# Altium PCB SDC.PcbDoc (part 1 of 3) (continued)
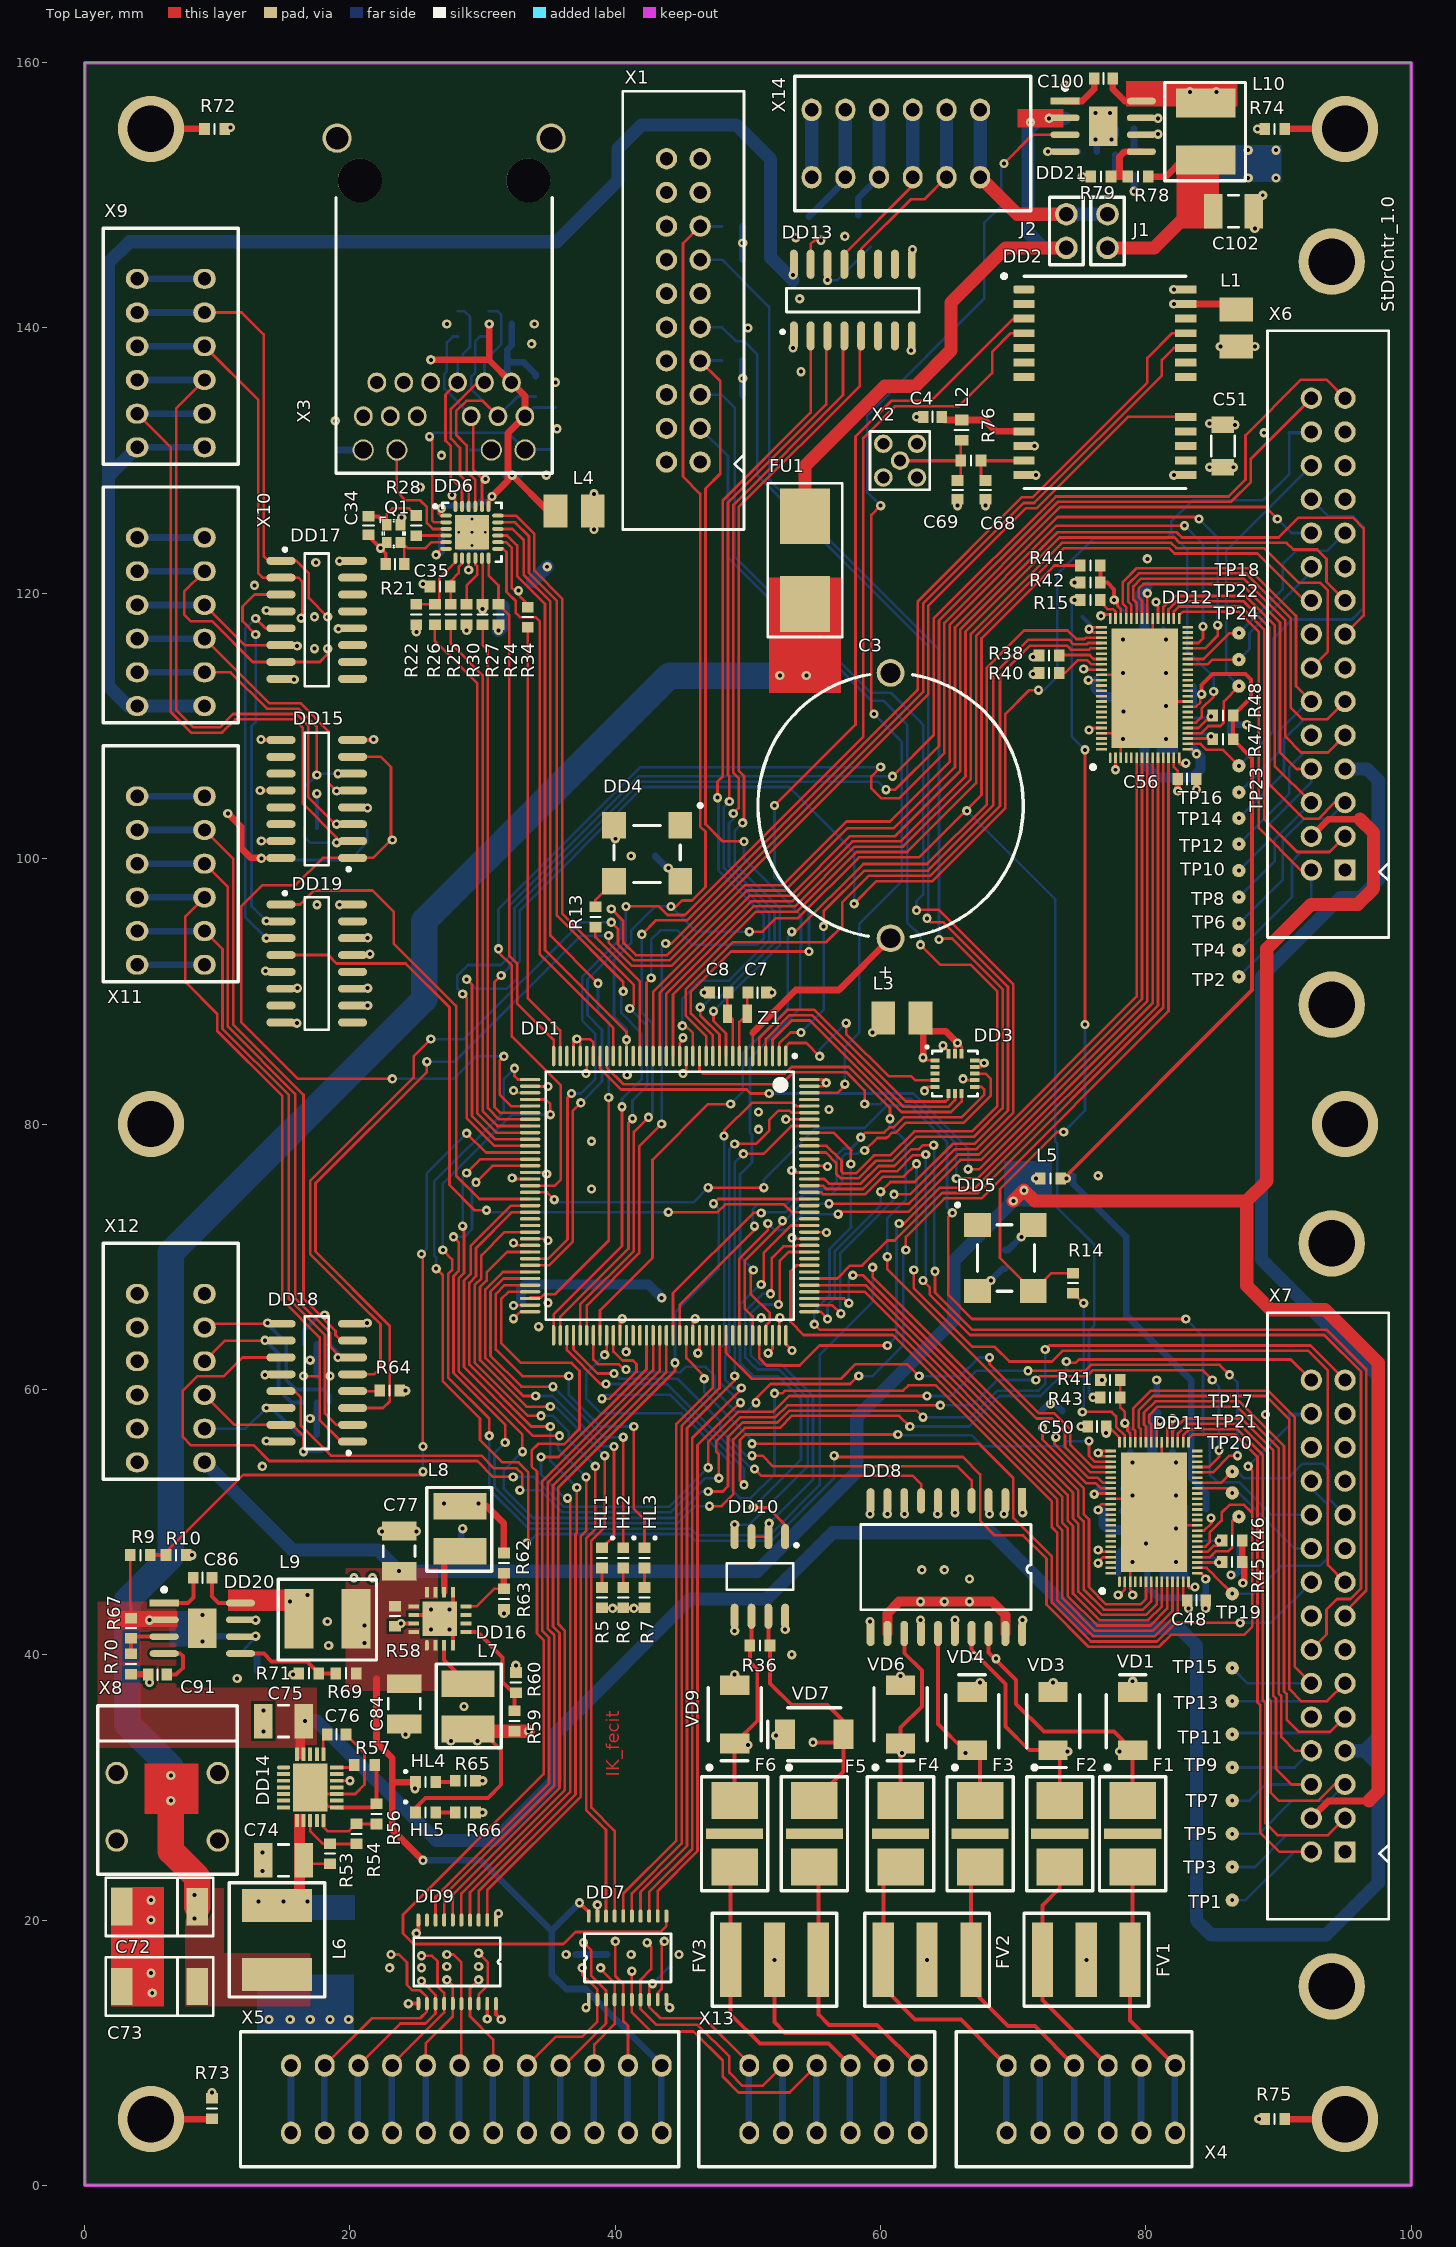
[diagram p0: Top Layer view]
## Footprints (in the part's own frame and the unit in brackets; to place one, negate y for a bottom-side part, rotate by r counter-clockwise, add the part's x,y. Pads: shape width x height; smd on the part's side, far side on the other; paste and mask are expansions set on the pad) (continued)
MMCX [mm]
  round 1.4 hole 0.9: 1(0,1.27) 2(2.54,1.27) 3(2.54,-1.27) 4(0,-1.27) 5(1.27,0)
  silkscreen extent -1,-2.2 3.5,2.2, body extent -0.5,-1.75 3,1.75, height 4.46
omni_block_154 [mm]
  rect 4.2x3.8 smd: 1(-3.3,0) 2(3.3,0)
  silkscreen extent -5.8,-2.8 5.8,2.8, body extent -4.92,-2.5 4.92,2.53, height 3.81
QFN76 [mm]
  oval 0.8x0.2 smd: 1(0,0)
  rect 0.8x0.2 smd: 2(0,-0.4) 3(0,-0.8) 4(0,-1.2) 5(0,-1.6) 6(0,-2) 7(0,-2.4) 8(0,-2.8) 9(0,-3.2) 10(0,-3.6) 11(0,-4) 12(0,-4.4) 13(0,-4.8) 14(0,-5.2) 39(10.5,-5.2) 40(10.5,-4.8) 41(10.5,-4.4) 42(10.5,-4) 43(10.5,-3.6) 44(10.5,-3.2) 45(10.5,-2.8) 46(10.5,-2.4) 47(10.5,-2) 48(10.5,-1.6) 49(10.5,-1.2) 50(10.5,-0.8) 51(10.5,-0.4) 52(10.5,0)
  rect 0.2x0.8 smd: 15(0.65,-5.85) 16(1.05,-5.85) 17(1.45,-5.85) 18(1.85,-5.85) 19(2.25,-5.85) 20(2.65,-5.85) 21(3.05,-5.85) 22(3.45,-5.85) 23(3.85,-5.85) 24(4.25,-5.85) 25(4.65,-5.85) 26(5.05,-5.85) 27(5.45,-5.85) 28(5.85,-5.85) 29(6.25,-5.85) 30(6.65,-5.85) 31(7.05,-5.85) 32(7.45,-5.85) 33(7.85,-5.85) 34(8.25,-5.85) 35(8.65,-5.85) 36(9.05,-5.85) 37(9.45,-5.85) 38(9.85,-5.85) 53(9.85,0.65) 54(9.45,0.65) 55(9.05,0.65) 56(8.65,0.65) 57(8.25,0.65) 58(7.85,0.65) 59(7.45,0.65) 60(7.05,0.65) 61(6.65,0.65) 62(6.25,0.65) 63(5.85,0.65) 64(5.45,0.65) 65(5.05,0.65) 66(4.65,0.65) 67(4.25,0.65) 68(3.85,0.65) 69(3.45,0.65) 70(3.05,0.65) 71(2.65,0.65) 72(2.25,0.65) 73(1.85,0.65) 74(1.45,0.65) 75(1.05,0.65) 76(0.65,0.65)
  rect 9x5 smd: 77(5.25,-2.6)
  silkscreen extent -0.85,1.15 -0.55,1.45
QFN-MJ24 [mm] "QFN, 24-Leads, Body 4x4mm, Pitch 0.5mm, Thermal Pad 2.6x2.6mm, Microchip Recommended"
  oval 0.85x0.3 smd: 1(-1.95,1.25) 2(-1.95,0.75) 3(-1.95,0.25) 4(-1.95,-0.25) 5(-1.95,-0.75) 6(-1.95,-1.25) 13(1.95,-1.25) 14(1.95,-0.75) 15(1.95,-0.25) 16(1.95,0.25) 17(1.95,0.75) 18(1.95,1.25)
  oval 0.3x0.85 smd: 7(-1.25,-1.95) 8(-0.75,-1.95) 9(-0.25,-1.95) 10(0.25,-1.95) 11(0.75,-1.95) 12(1.25,-1.95) 19(1.25,1.95) 20(0.75,1.95) 21(0.25,1.95) 22(-0.25,1.95) 23(-0.75,1.95) 24(-1.25,1.95)
  rect 2.6x2.6 smd paste-1.3: 25(0,0)
  silkscreen extent -2.9,-2.22 2.22,2.22, body extent -2.07,-2.07 2.07,2.07, height 0.9
R0603 [mm]
  rect 0.8x0.9 smd: 1(-0.762,0) 2(0.762,0)
  silkscreen extent 0,-0.38 0,0.38, body extent -0.85,-0.4 0.85,0.4, height 0.56
SIM68M [mm]
  rrect50% 1.6x0.6 smd: 1(0,0)
  rect 1.6x0.6 smd: 2(0,-1.1) 3(0,-2.2) 4(0,-3.3) 5(0,-4.4) 6(0,-5.5) 7(0,-6.6) 8(0,-9.6) 9(0,-10.7) 10(0,-11.8) 11(0,-12.9) 12(0,-14) 13(12.2,-14) 14(12.2,-12.9) 15(12.2,-11.8) 16(12.2,-10.7) 17(12.2,-9.6) 18(12.2,-6.6) 19(12.2,-5.5) 20(12.2,-4.4) 21(12.2,-3.3) 22(12.2,-2.2) 23(12.2,-1.1) 24(12.2,0)
  silkscreen extent -1.65,-15 12.2,1.15
SMA-DO214 [mm]
  rect 2.5x1.7 smd: 1(-2.5,0) 2(2.5,0)
  silkscreen extent -3,-1.5 3,1.5, body extent -2.74,-1.4 2.74,1.4, height 2.3
SMB-DO214 [mm]
  rect 1.5x2.2 smd: 1(-2.2,0) 2(2.2,0)
  silkscreen extent -3.5,-2 2,2, body extent -2.7,-1.8 2.7,1.8, height 2.32
SMC-DO214 [mm]
  rect 2.5x3.3 smd: 1(-3.45,0) 2(3.45,0)
  silkscreen extent -5.1,-3.2 5.1,3.2, body extent -3.98,-2.95 3.97,2.95, height 2.32
SO4-GEN [mm]
  rect 2x1.8 smd: 1(0,0) 2(0,-5) 3(4.2,-5) 4(4.2,0)
  silkscreen extent -1.64,-5 4.3,1.64
SO8_L [mm] "SOIC, 8-Leads, Body 4.9x3.9mm, Pitch 1.27mm, IPC High Density"
  oval 1.9x0.6 smd: 1(-3,1.905) 2(-3,0.635) 3(-3,-0.635) 4(-3,-1.905) 5(3,-1.905) 6(3,-0.635) 7(3,0.635) 8(3,1.905)
  silkscreen extent -2.47,-2.5 1,2.88, body extent -2,-2.5 2,2.5, height 1.75
SO-16_N [mm] "SOIC, 16-Leads, Body 9.9x3.9mm, Pitch 1.27mm, IPC Medium Density"
  oval 2.2x0.6 smd: 1(-2.7,4.445) 2(-2.7,3.175) 3(-2.7,1.905) 4(-2.7,0.635) 5(-2.7,-0.635) 6(-2.7,-1.905) 7(-2.7,-3.175) 8(-2.7,-4.445) 9(2.7,-4.445) 10(2.7,-3.175) 11(2.7,-1.905) 12(2.7,-0.635) 13(2.7,0.635) 14(2.7,1.905) 15(2.7,3.175) 16(2.7,4.445)
  silkscreen extent -2.52,-5 0.9,5.42, body extent -3,-4.9 3,5, height 1.26
SOIC_20W [mm]
  rect 1.9x0.6 smd: 1(0,1.27)
  oval 1.9x0.6 smd: 2(0,0) 3(0,-1.27) 4(0,-2.54) 5(0,-3.81) 6(0,-5.08) 7(0,-6.35) 8(0,-7.62) 9(0,-8.89) 10(0,-10.16) 11(10,-10.16) 12(10,-8.89) 13(10,-7.62) 14(10,-6.35) 15(10,-5.08) 16(10,-3.81) 17(10,-2.54) 18(10,-1.27) 19(10,0) 20(10,1.27)
  silkscreen extent 1.78,-10.9 8.2,1.93, body extent -0.07,-10.8 10.07,1.8, height 2.25
SOT23 [mm] "SOT23, 6-Leads, Body 2.9x1.6mm, Pitch 0.95mm, Lead Span 2.7mm, IPC Medium Density"
  rect 1.1x0.65 smd: 1(-1.2,0.95) 2(-1.2,-0.95) 3(1.2,0)
  silkscreen extent -1.32,-1.55 0.25,1.95
SOT23-6 [mm] "SOT23, 6-Leads, Body 2.9x1.6mm, Pitch 0.95mm, Lead Span 2.7mm, IPC Medium Density"
  rect 1.1x0.65 smd: 1(-1.2,0.95) 2(-1.2,0) 3(-1.2,-0.95) 4(1.2,-0.95) 5(1.2,0) 6(1.2,0.95)
  silkscreen extent -1.32,1.7 -1.08,1.95, body extent -1.23,-1.4 1.2,1.4, height 1.1
STM-LQFP144_L [mm] "Thin QFP, 144-Leads, Body 20x20mm, Pitch 0.5mm, IPC High Density"
  oval 1.55x0.25 smd: 1(-10.525,8.75) 2(-10.525,8.25) 3(-10.525,7.75) 4(-10.525,7.25) 5(-10.525,6.75) 6(-10.525,6.25) 7(-10.525,5.75) 8(-10.525,5.25) 9(-10.525,4.75) 10(-10.525,4.25) 11(-10.525,3.75) 12(-10.525,3.25) 13(-10.525,2.75) 14(-10.525,2.25) 15(-10.525,1.75) 16(-10.525,1.25) 17(-10.525,0.75) 18(-10.525,0.25) 19(-10.525,-0.25) 20(-10.525,-0.75) 21(-10.525,-1.25) 22(-10.525,-1.75) 23(-10.525,-2.25) 24(-10.525,-2.75) 25(-10.525,-3.25) 26(-10.525,-3.75) 27(-10.525,-4.25) 28(-10.525,-4.75) 29(-10.525,-5.25) 30(-10.525,-5.75) 31(-10.525,-6.25) 32(-10.525,-6.75) 33(-10.525,-7.25) 34(-10.525,-7.75) 35(-10.525,-8.25) 36(-10.525,-8.75) 73(10.525,-8.75) 74(10.525,-8.25) 75(10.525,-7.75) 76(10.525,-7.25) 77(10.525,-6.75) 78(10.525,-6.25) 79(10.525,-5.75) 80(10.525,-5.25) 81(10.525,-4.75) 82(10.525,-4.25) 83(10.525,-3.75) 84(10.525,-3.25) 85(10.525,-2.75) 86(10.525,-2.25) 87(10.525,-1.75) 88(10.525,-1.25) 89(10.525,-0.75) 90(10.525,-0.25) 91(10.525,0.25) 92(10.525,0.75) 93(10.525,1.25) 94(10.525,1.75) 95(10.525,2.25) 96(10.525,2.75) 97(10.525,3.25) 98(10.525,3.75) 99(10.525,4.25) 100(10.525,4.75) 101(10.525,5.25) 102(10.525,5.75) 103(10.525,6.25) 104(10.525,6.75) 105(10.525,7.25) 106(10.525,7.75) 107(10.525,8.25) 108(10.525,8.75)
  oval 0.25x1.55 smd: 37(-8.75,-10.525) 38(-8.25,-10.525) 39(-7.75,-10.525) 40(-7.25,-10.525) 41(-6.75,-10.525) 42(-6.25,-10.525) 43(-5.75,-10.525) 44(-5.25,-10.525) 45(-4.75,-10.525) 46(-4.25,-10.525) 47(-3.75,-10.525) 48(-3.25,-10.525) 49(-2.75,-10.525) 50(-2.25,-10.525) 51(-1.75,-10.525) 52(-1.25,-10.525) 53(-0.75,-10.525) 54(-0.25,-10.525) 55(0.25,-10.525) 56(0.75,-10.525) 57(1.25,-10.525) 58(1.75,-10.525) 59(2.25,-10.525) 60(2.75,-10.525) 61(3.25,-10.525) 62(3.75,-10.525) 63(4.25,-10.525) 64(4.75,-10.525) 65(5.25,-10.525) 66(5.75,-10.525) 67(6.25,-10.525) 68(6.75,-10.525) 69(7.25,-10.525) 70(7.75,-10.525) 71(8.25,-10.525) 72(8.75,-10.525) 109(8.75,10.525) 110(8.25,10.525) 111(7.75,10.525) 112(7.25,10.525) 113(6.75,10.525) 114(6.25,10.525) 115(5.75,10.525) 116(5.25,10.525) 117(4.75,10.525) 118(4.25,10.525) 119(3.75,10.525) 120(3.25,10.525) 121(2.75,10.525) 122(2.25,10.525) 123(1.75,10.525) 124(1.25,10.525) 125(0.75,10.525) 126(0.25,10.525) 127(-0.25,10.525) 128(-0.75,10.525) 129(-1.25,10.525) 130(-1.75,10.525) 131(-2.25,10.525) 132(-2.75,10.525) 133(-3.25,10.525) 134(-3.75,10.525) 135(-4.25,10.525) 136(-4.75,10.525) 137(-5.25,10.525) 138(-5.75,10.525) 139(-6.25,10.525) 140(-6.75,10.525) 141(-7.25,10.525) 142(-7.75,10.525) 143(-8.25,10.525) 144(-8.75,10.525)
  silkscreen extent -10.65,-9.35 9.35,9.55, body extent -10,-10 10,10, height 1.6
TBU-CA [mm]
  rect 0.8x4.3 smd: 0(0,0)
  rect 2.8x3.5 smd: 1(-2.5,0) 2(2.5,0)
  silkscreen extent -5.15,-2.5 4.3,2.5, body extent -3.25,-2 3.25,2, height 1.06
TP1 [mm]
  round 1 smd: 1(0,0)
TSSOP20 [mm]
  rect 1x0.3 smd: 1(0,0)
  oval 1x0.3 smd: 2(0,-0.65) 3(0,-1.3) 4(0,-1.95) 5(0,-2.6) 6(0,-3.25) 7(0,-3.9) 8(0,-4.55) 9(0,-5.2) 10(0,-5.85) 11(6.3,-5.85) 12(6.3,-5.2) 13(6.3,-4.55) 14(6.3,-3.9) 15(6.3,-3.25) 16(6.3,-2.6) 17(6.3,-1.95) 18(6.3,-1.3) 19(6.3,-0.65) 20(6.3,0)
  silkscreen extent 1.33,-6.2 4.97,0.33, body extent 0,-6.15 6.4,0.35, height 1.06
VQFN24 [mm]
  oval 1x0.3 smd: 1(0,0)
  rect 1x0.3 smd: 2(0,-0.5) 3(0,-1) 4(0,-1.5) 5(0,-2) 6(0,-2.5) 7(0,-3) 13(4,-3) 14(4,-2.5) 15(4,-2) 16(4,-1.5) 17(4,-1) 18(4,-0.5) 19(4,0)
  rect 0.3x1 smd: 8(1,-4) 9(1.5,-4) 10(2,-4) 11(2.5,-4) 12(3,-4) 20(3,1) 21(2.5,1) 22(2,1) 23(1.5,1) 24(1,1)
  rect 2.6x3.6 smd: 25(2,-1.5)
WQFN16 [mm]
  oval 0.8x0.3 smd: 1(0,0)
  rect 0.8x0.3 smd: 2(0,-0.65) 3(0,-1.3) 4(0,-1.95) 9(4,-1.95) 10(4,-1.3) 11(4,-0.65) 12(4,0)
  rect 0.3x0.8 smd: 5(1,-2.95) 6(1.65,-2.95) 7(2.3,-2.95) 8(2.95,-2.95) 13(2.95,1) 14(2.3,1) 15(1.65,1) 16(1,1)
  rect 2.6x2.6 smd: 17(2,-0.975)
XAL4030 [mm]
  rect 2x4 smd: 1(-1.7,0) 2(1.7,0)
  silkscreen extent -3.2,-2.4 3.1,2.5, body extent -2.15,-2.1 2.15,2.2, height 3.11
XAL5050 [mm]
  rect 2.2x4.5 smd: 1(-2.15,0) 2(2.15,0)
  silkscreen extent -3.7,-3.1 3.7,3, body extent -2.74,-2.88 2.74,2.8, height 5.11
XAL6060 [mm]
  rect 2.5x5.3 smd: 1(-2.6,0) 2(2.6,0)
  silkscreen extent -4.3,-3.6 4.3,3.6, body extent -3.28,-3.38 3.28,3.38, height 6.11

## Part data
C1 C2 C4 C5 C6 C7 C8 C9 C10 C11 C12 C13 C14 C15 C16 C17 C18 C19 C20 C21 C22 C23 C24 C25 C26 C27 C28 C29 C30 C31 C32 C33 C34 C35 C36 C37 C38 C39 C40 C41 C42 C43 C44 C45 C46 C47 C48 C49 C50 C51 C52 C53 C54 C55 C56 C57 C58 C59 C60 C61 C62 C63 C64 C65 C66 C67 C68 C69 C70 C71 C74 C75 C76 C77 C78 C79 C80 C81 C82 C83 C84 C85 C86 C87 C88 C89 C90 C91 C94 C95 C96 C97 C98 C99 C100 C101 C102 C103 C104 C105: "SMD Capacitor"
C3: "Ionistor"
C72 C73 C92 C93: library part "Cap Pol_D", "Polarized Capacitor (Surface Mount)"
DA1: library part USBLC6-4SC6, "ESD protection Very low capacitance"
DD1: "ARM Cortex-M7, 480MHz, 32-bit MCU+FPU, 144-pin LQFP"
DD2: "GPS module"
DD3: "Accelerometer"
DD4 DD5: "KXO generator"
DD6: "RMII 10/100 Ethernet PHY"
DD8: "RS485 isolator"
DD10: library part ST3485EB, "RS485_tranciever"
DD11 DD12: "Motion_controller"
DD13: "digital isolator"
DD14: "Industrial eFuse"
DD15: "RS-422 transmitter"
DD17 DD18: "RS-422 receiver"
DD19: "MUX"
F1 F2 F3 F4 F5 F6: "TBU fuse"
FU1: "omni fuse block"
FV1 FV2 FV3: "Charger"
L1 L3 L4 L6 L7 L8 L9 L10: "chip inductor"
L2: "SMD Chip ferrite bead 0603"
Q1: "Crystal oscillator 25MHz"
R1 R2 R3 R4 R5 R6 R7 R8 R9 R10 R11 R12 R13 R14 R15 R16 R17 R18 R19 R20 R21 R22 R23 R24 R25 R26 R27 R28 R29 R30 R31 R32 R33 R34 R35 R36 R37 R38 R39 R40 R41 R42 R43 R44 R45 R46 R47 R48 R49 R50 R51 R52 R53 R54 R55 R56 R57 R58 R59 R60 R61 R62 R63 R64 R65 R66 R67 R68 R69 R70 R71 R72 R73 R74 R75 R76 R77 R78 R79: "SMD Resistor"
TP1 TP2 TP3 TP4 TP5 TP6 TP7 TP8 TP9 TP10 TP11 TP12 TP13 TP14 TP15 TP16 TP17 TP18 TP19 TP20 TP21 TP22 TP23 TP24: library part TP
VD1 VD3 VD4 VD6 VD7 VD9: library part SMBJ5CA, "TVS diode"
VD2 VD5 VD8: library part SMBJ12CA, "TVSdiode"
VD10: "DIODE, SCHOTTKY, 5A, 50V, SMC"
VD11 VD12 VD13 VD14 VD16 VD17 VD18 VD19: "4-line ESD protection"
VD15 VD20: "Shottky diode"
VT1 VT2: "n-channel fet"
X1: library part IDC10x2_GOST
X2: "Coaxial"
X3: "1Gb connector"
X4 X5 X9 X10 X11 X12 X13 X14: "wire connector"
X6 X7: library part IDC15x2_GOST
Z1: "Crystal_32_768"

## Free pads (board coordinates)
  round 5 hole 3.5: 0(5,5) 0(5,80) 0(5,155) 0(94,15) 0(94,71) 0(94,89) 0(94,145) 0(95,5) 0(95,80) 0(95,155)

## Via types
v1: diameter 0.7, hole 0.3, Top Layer to Bottom Layer, tented both sides, 607 vias
v2: diameter 0.5, hole 0.2, Top Layer to Bottom Layer, 5 vias

## Nets (pads, with @x,y where several pads share a name; then routed paths per layer and width w, separated by ;. In a path a pad name is that pad's centre, name@x,y a point inside that pad or via, vN(x,y) a via of type N, cw(c..) or ccw(c..) an arc to the next point about the centre after c; other vN are vias at no path point)
1: pad.0@5,155 R72.1 | length 4
  Top Layer w0.5: pad.0@5,155 R72.1@9.038,155
2: pad.0@5,5 R73.1 | length 4.6
  Top Layer w0.5: pad.0@5,5 R73.1@9.562,5
3: pad.0@95,155 R74.1 | length 4.5
  Top Layer w0.5: R74.1@90.462,155 pad.0@95,155
4: pad.0@95,5 R75.1 | length 4.5
  Top Layer w0.5: R75.1@90.462,5 pad.0@95,5
12V_EN: DD1.142 DD21.3 | length 85.5
  Top Layer w0.2: DD1.142@54.625,82.35 56.75,82.35 v1@57.3,82.9 ; v1(59.5,110.9) 59.3,111.1 59.3,125.9 v1(60,126.6) ; v1(69.3,152.4) 71.46,154.56 DD21.3@73.9,154.56
  Bottom Layer w0.2: v1(57.3,83) 57.3,85.8 58.4,86.9 58.4,95.1 61.6,98.3 61.6,108.8 v1(59.5,110.9) ; v1(60,126.6) 59,127.6 59,133.4 67.8,142.2 67.8,147.9 69.1,149.2 69.1,152.2 v1(69.3,152.4)
25MHZ_MC: DD1.23 R13.1 | length 11.1
  Top Layer w0.2: R13.1@38.5,94.838 38.5,94.1 41.85,90.75 DD1.23@41.85,85.125
25MHZ_TMC_A: DD12.51 R15.1 | length 2.1
  Top Layer w0.2: R15.1@76.562,119.5 76.562,119.338 77.1,118.8 77.524,118.8 77.7,118.624 DD12.51@77.7,118.1
25MHZ_TMC_B: DD11.51 R14.1 | length 14.3
  Top Layer w0.2: R14.1@74.5,67.238 75.238,66.5 v1(75.3,66.5) ; v1(75.2,58.3) 77.4,58.3 77.75,57.95 77.75,57.174 78.4,56.524 DD11.51@78.4,56
  Bottom Layer w0.2: v1(75.2,58.3) 75.1,58.4 75.3,58.6 v1(75.3,66.5)
422_A: F1.2 FV1.3 X4.1 | length 21.2
  Top Layer w0.3: FV1.3@78.8,17 78.8,12.44 X4.1@82.2,9.04 ; FV1.3@79,17.2 F1.2@79,24
  Bottom Layer w0.5: X4.1@82.16,3.98 X4.1@82.16,9.06
422_B: F2.2 FV1.1 X4.3 | length 22.6
  Top Layer w0.3: F2.2@73.5,24 73.5,22.4 72.2,21.1 FV1.1@72.2,17 72.2,13.96 X4.3@77.12,9.04
  Bottom Layer w0.5: X4.3@77.08,3.98 X4.3@77.08,9.06
422_RX: DD1.76 DD8.4 | length 37.1
  Top Layer w0.2: DD1.76@36.85,64.075 36.85,63.016 38.666,61.2 v1(39.9,61.2) ; v1(50.3,55) 51.1,55 51.9,54.2 65.8,54.2 66.86,53.14 DD8.4@66.86,51.6
  Bottom Layer w0.2: v1(39.9,61.2) 40.3,60.8 44.7,60.8 47.9,57.6 47.9,56.966 49.866,55 v1(50.3,55)
422_TX: DD1.75 DD8.7 | length 33.3
  Top Layer w0.2: DD1.75@36.35,64.075 36.35,62.95 38.9,60.4 v1(39.3,60.4) ; v1(50.5,54) 51,53.5 62.4,53.5 63.05,52.85 DD8.7@63.05,51.6
  Bottom Layer w0.2: v1(39.3,60.4) 43.9,60.4 50.3,54 v1(50.5,54)
422_Y: F4.2 FV2.1 X4.6 | length 26.4
  Top Layer w0.3: F4.2@61.5,24 60.2,22.7 FV2.1@60.2,17 60.2,14.9 62.6,12.5 66.04,12.5 X4.6@69.5,9.04
  Bottom Layer w0.5: X4.6@69.46,3.98 X4.6@69.46,9.06
422_Z: F3.2 FV2.3 X4.4 | length 23.7
  Top Layer w0.3: F3.2@66.8,23.3 FV2.3@66.8,17 66.8,14.8 69.6,12 71.62,12 X4.4@74.58,9.04
  Bottom Layer w0.5: X4.4@74.58,3.96 X4.4@74.58,9.04
485_A: F6.2 FV3.1 X13.3 | length 26.5
  Top Layer w0.3: F6.2@48.7,23.7 FV3.1@48.7,17 48.7,12.9 50.9,10.7 56.06,10.7 X13.3@57.72,9.04
  Bottom Layer w0.5: X13.3@57.68,3.98 X13.3@57.68,9.06
485_B: F5.2 FV3.3 X13.1 | length 25
  Top Layer w0.3: F5.2@55.3,23.7 FV3.3@55.3,17 55.3,12.9 56.1,12.1 59.74,12.1 X13.1@62.8,9.04
  Bottom Layer w0.5: X13.1@62.76,3.98 X13.1@62.76,9.06
485_RX: DD1.122 DD10.1 | length 32.9
  Top Layer w0.2: v1(50.4,51.1) 51.5,51.1 52.805,49.795 DD10.1@52.805,48.9 ; v1(51,67.9) 51.2,68.1 51.2,70.3 53.25,72.35 DD1.122@54.625,72.35
  Bottom Layer w0.2: v1(50.4,51.1) v1@50.5,51.2 ; v1@50.5,50.9 v1@50.5,51.2 ; v1(51,67.9) 50.9,67.9 49.4,66.4 49.4,62 50.4,61 52.269,61 54,59.269 54,54.7 v1@50.5,51.2
485_TE: DD1.118 DD10.2 DD10.3 | length 29.6
  Top Layer w0.2: DD10.3@50.265,48.9 DD10.2@51.535,48.9 ; v1@52.1,66.4 52.4,66.7 52.4,69.7 53.05,70.35 DD1.118@54.625,70.35
  Bottom Layer w0.2: v1(51.6,49.9) 54.9,53.2 54.9,59.5 52.5,61.9 50.9,61.9 50.2,62.6 50.2,65.7 50.9,66.4 v1(52.3,66.4)
485_TX: DD1.119 DD10.4 | length 30.5
  Top Layer w0.2: v1@51.7,67.1 v1(51.7,67.2) 51.8,67.2 51.8,69.9 52.675,70.775 53.594,70.775 53.669,70.85 DD1.119@54.625,70.85
  Bottom Layer w0.2: v1(49,49.8) 50.1,49.8 54.5,54.2 54.5,59.334 52.334,61.5 50.734,61.5 50.534,61.7 50.5,61.7 49.8,62.4 49.8,65.9 51.1,67.2 v1(51.7,67.2)
+1V8: C85.2 L8.2 R62.2 | length 5.8
  Top Layer w0.5: L8.2@28.536,51.2 30.3,51.2 31.6,49.9 R62.2@31.6,47.662
  other v1: 27.1,51.4 29.7,51.4
+3V3_MC: C11.2 C12.2 C13.2 C14.2 C15.2 C16.2 C17.2 C18.2 C19.2 C20.2 C21.2 C22.2 C23.2 C24.2 C28.2 C36.2 C37.2 C38.2 C45.2 C46.2 C47.2 C48.2 C49.2 C50.2 C51.2 C52.2 C53.2 C54.2 C55.2 C56.2 C78.2 C79.2 C80.2 C81.2 C96.2 C97.2 C98.2 DD1.17 DD1.30 DD1.32 DD1.33 DD1.39 DD1.52 DD1.62 DD1.72 DD1.84 DD1.95 DD1.108 DD1.121 DD1.131 DD1.143 DD1.144 DD4.4 DD5.4 DD6.9 DD8.2 DD8.6 DD8.8 DD9.20 DD10.8 DD11.2 DD11.13 DD11.43 DD11.52 DD11.61 DD11.72 DD12.2 DD12.13 DD12.43 DD12.52 DD12.61 DD12.72 DD13.1 DD17.16 DD18.16 DD19.16 HL5.1 L1.2 L3.2 L4.1 L7.2 R1.1 R2.1 R3.1 R4.1 R5.1 R6.1 R7.1 R12.1 R16.1 R21.1 R22.1 R23.1 R24.1 R41.2 R42.2 R59.2 R61.2 R64.2 X1.1 X1.2 | length 73.3
  Top Layer w0.2: v1(28.95,121.75) DD6.9@28.95,122.65 ; v1@32.3,75.85 DD1.52@33.575,75.85 ; v1(32.325,65.325) 32.85,65.85 DD1.72@33.575,65.85 ; v1@32.5,70.85 DD1.62@33.575,70.85 ; v1@32.5,82.35 DD1.39@33.575,82.35 ; DD1.33@36.85,85.125 36.85,86.15 v1(37.1,86.4) ; DD1.32@37.35,85.125 37.35,86.15 v1(37.1,86.4) ; DD1.30@38.35,85.125 38.35,86.15 38.1,86.4 v1(37.1,86.4) ; v1@40.7,62.9 40.85,63.05 DD1.84@40.85,64.075 ; DD1.17@44.85,85.125 44.85,86.05 v1@45.1,86.3 ; v1@46.35,62.85 DD1.95@46.35,64.075 ; DD1.108@52.85,64.075 52.85,63.4 v1(53.325,62.925) ; DD1.121@54.625,71.85 55.65,71.85 v1@55.8,71.7 ; DD1.131@54.625,76.85 55.65,76.85 v1@55.8,76.7 ; DD1.143@54.625,82.85 55.65,82.85 v1(55.9,83.1) 55.65,83.35 DD1.144@54.625,83.35 ; v1@75.45,114.25 DD12.61@76.65,114.25 ; v1@75.8,109.7 75.95,109.85 DD12.72@76.65,109.85 ; v1@76.1,52.3 76.25,52.15 DD11.61@77.35,52.15 ; v1(76.4,47.9) 76.55,47.75 DD11.72@77.35,47.75 ; v1@76.5,118.4 76.6,118.5 76.834,118.5 76.934,118.4 77.3,118.4 DD12.52@77.3,118.1 ; C50.2@77,57.2 77.159,57.2 78,56.359 DD11.52@78,56 ; v1@77.7,106.9 DD12.2@77.7,107.6 ; v1@78.1,44.6 78.4,44.9 DD11.2@78.4,45.5 ; v1@80.8,119.1 80.9,119 DD12.43@80.9,118.1 ; DD11.43@81.6,56 81.6,57.021 82,57.421 v1(82,57.8) ; DD12.13@82.1,107.6 82.1,106.9 82.4,106.6 C56.2@82.4,106.2 ; C48.2@82.8,44.5 DD11.13@82.8,45.5
  Top Layer w0.3: HL5.1@24.938,28.1 24.938,28.438 25.7,29.2 30.4,29.2 31.4,30.2 31.4,32.8 L7.2@29.962,34.238 ; L7.2@28.9,34.4 29.8,34.4 L7.2@29.962,34.238 ; L7.2@29.062,34.238 L7.2@29.962,34.238 ; DD9.20@31,13.7 31,12.9 v1(31.4,12.5) ; R5.1@39,43.538 R6.1@40.6,43.538 R7.1@42.2,43.538
  Top Layer w0.5: v1(82.4,105.1) C56.2@82.4,106.2
  Top Layer w1: L7.2@29.962,34.238 R59.2@32.4,34.238 v1(33.462,34.238)
  Bottom Layer w0.2: v1(75.3,114.3) C53.2@75.9,114.3
  Bottom Layer w0.3: C49.2@82,56.7 v1(82,57.8)
  Bottom Layer w0.5: C11.2@43,100.2 v1@43.9,99.3 ; R1.1@49.562,134.95 R2.1@49.562,137.55 ; R3.1@49.562,145.15 R4.1@49.562,147.65 ; C12.2@69.4,70.5 69.6,70.5 v1(70.6,71.5) ; v1(76.1,52.1) 76.5,52.5 C96.2@76.9,52.5
  Bottom Layer w1: v1(31.2,117.2) 31.562,117.562 R23.1@31.562,119 ; R16.1@33.762,120.9 v1(34.862,122)
  other v1: 27.6,33.5 29.6,33.5 52.8,41.9 39.8,43.5 41.4,43.5 83.2,43.5 77.9,44.5 61.8,50.6 64.3,50.6 69.3,50.6 13.7,56.1 77,56.7 24.2,59.9 76.7,60.7 46.225,62.725 40.825,62.825 32.325,71.025 55.925,71.825 38.2,75.1 32.225,75.925 56,76.8 50.8,80.9 32.325,82.525 45.1,86.5 59.4,86.9 19.225,96.525 44,99.3 77.7,106.7 75.7,109.7 25,117.1 76.6,118.3 80.75,119.35 12.8,120.6 25.5,120.7 74.6,120.8 19.225,122.425 38.4,124.8 38.4,127.5 84.8,129.5 86.6,129.5 49.6,136.2 53.4,138.5 85.6,138.6 88.2,138.6 49.6,146.4
+5_REF: C41.2 C42.2 C43.2 C44.2 C65.2 DD11.23 DD12.23 L5.2 R45.2 R46.2 R47.2 R48.2 | length 92.9
  Top Layer w0.2: DD12.23@83.15,111.45 83.784,111.45 84.1,111.766 v1@84.1,112.4 ; DD11.23@83.85,49.35 84.384,49.35 84.934,49.9 84.934,50.266 v1(84.9,50.3)
  Top Layer w0.3: v1(74,75.9) 74,76.1 88,90.1 88,107.562 R47.2@86.562,109 R48.2@86.562,110.8 87.9,112.138 87.9,113.5 87.5,113.9 85,113.9 84.2,113.1 v1(84.2,112.4)
  Top Layer w0.5: R46.2@87.262,48.6 R45.2@87.262,47 87.4,46.862 v1@87.4,45.4
  Signal Layer 2 w0.5: v1(84.9,50.3) 85.5,50.3 87.3,48.5 v1(87.3,45.4)
  Bottom Layer w0.5: C65.2@74.5,76.1 74.5,75.5 78.5,71.5 78.5,65.6 83.4,60.7 83.4,53.3 84.55,52.15 C42.2@84.55,50.95 ; C44.2@83.6,111.8 C43.2@83.6,113